# Altium PCB PCB.PcbDoc
Units mil, origin at the board's own origin, x right, y up, seen from the top; angles counter-clockwise.
Board outline 2362 x 2364 mil, 2 copper layers (Top Layer, Bottom Layer); 96 components, 85 nets, 382 pads, 136 vias.
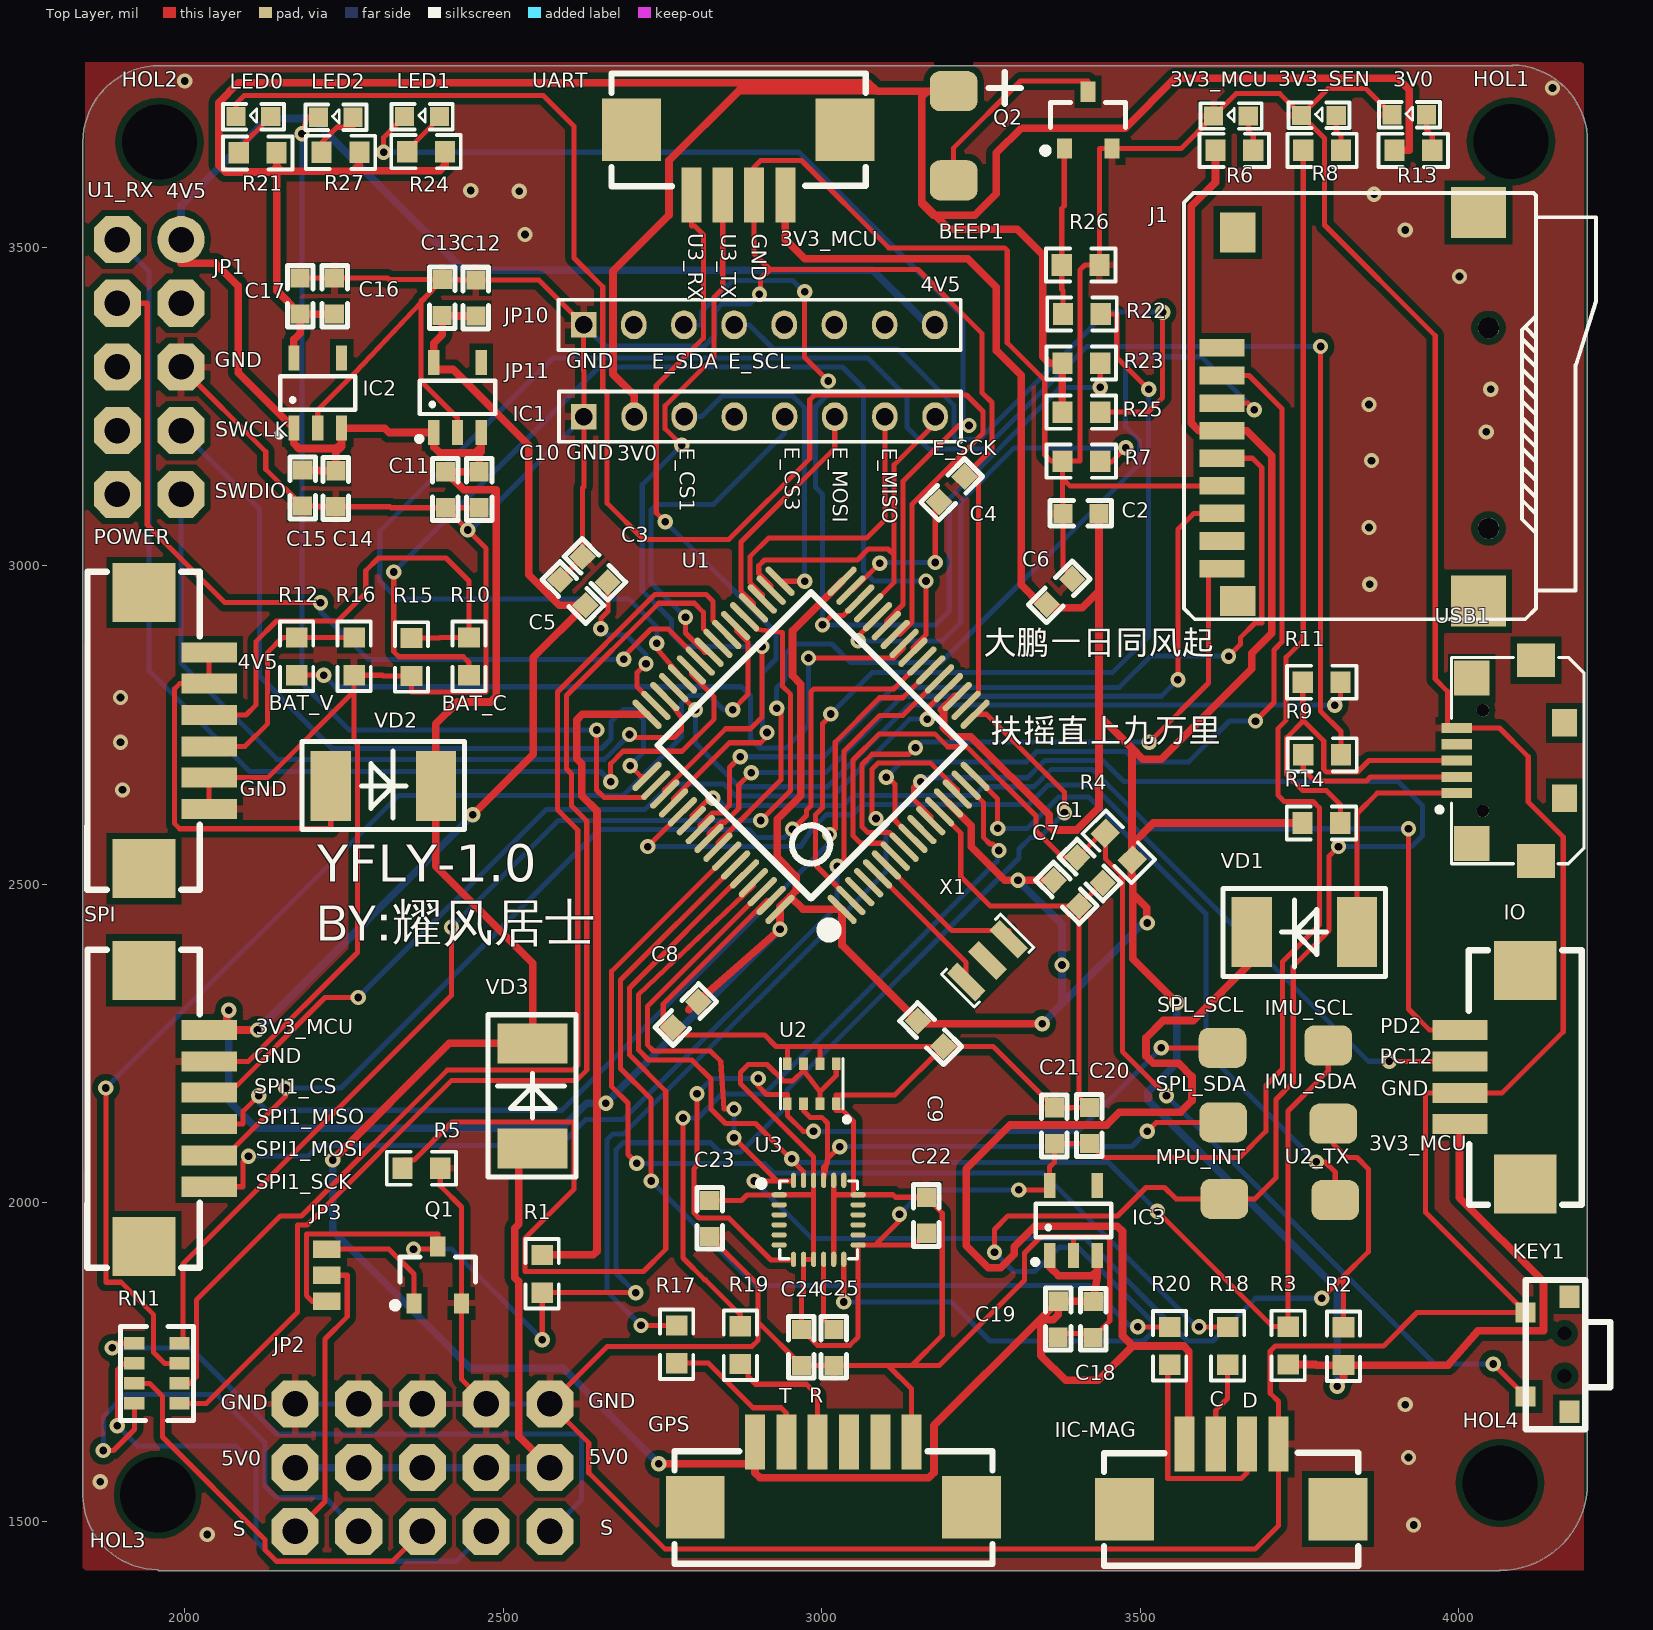
[diagram p0: Top Layer view]
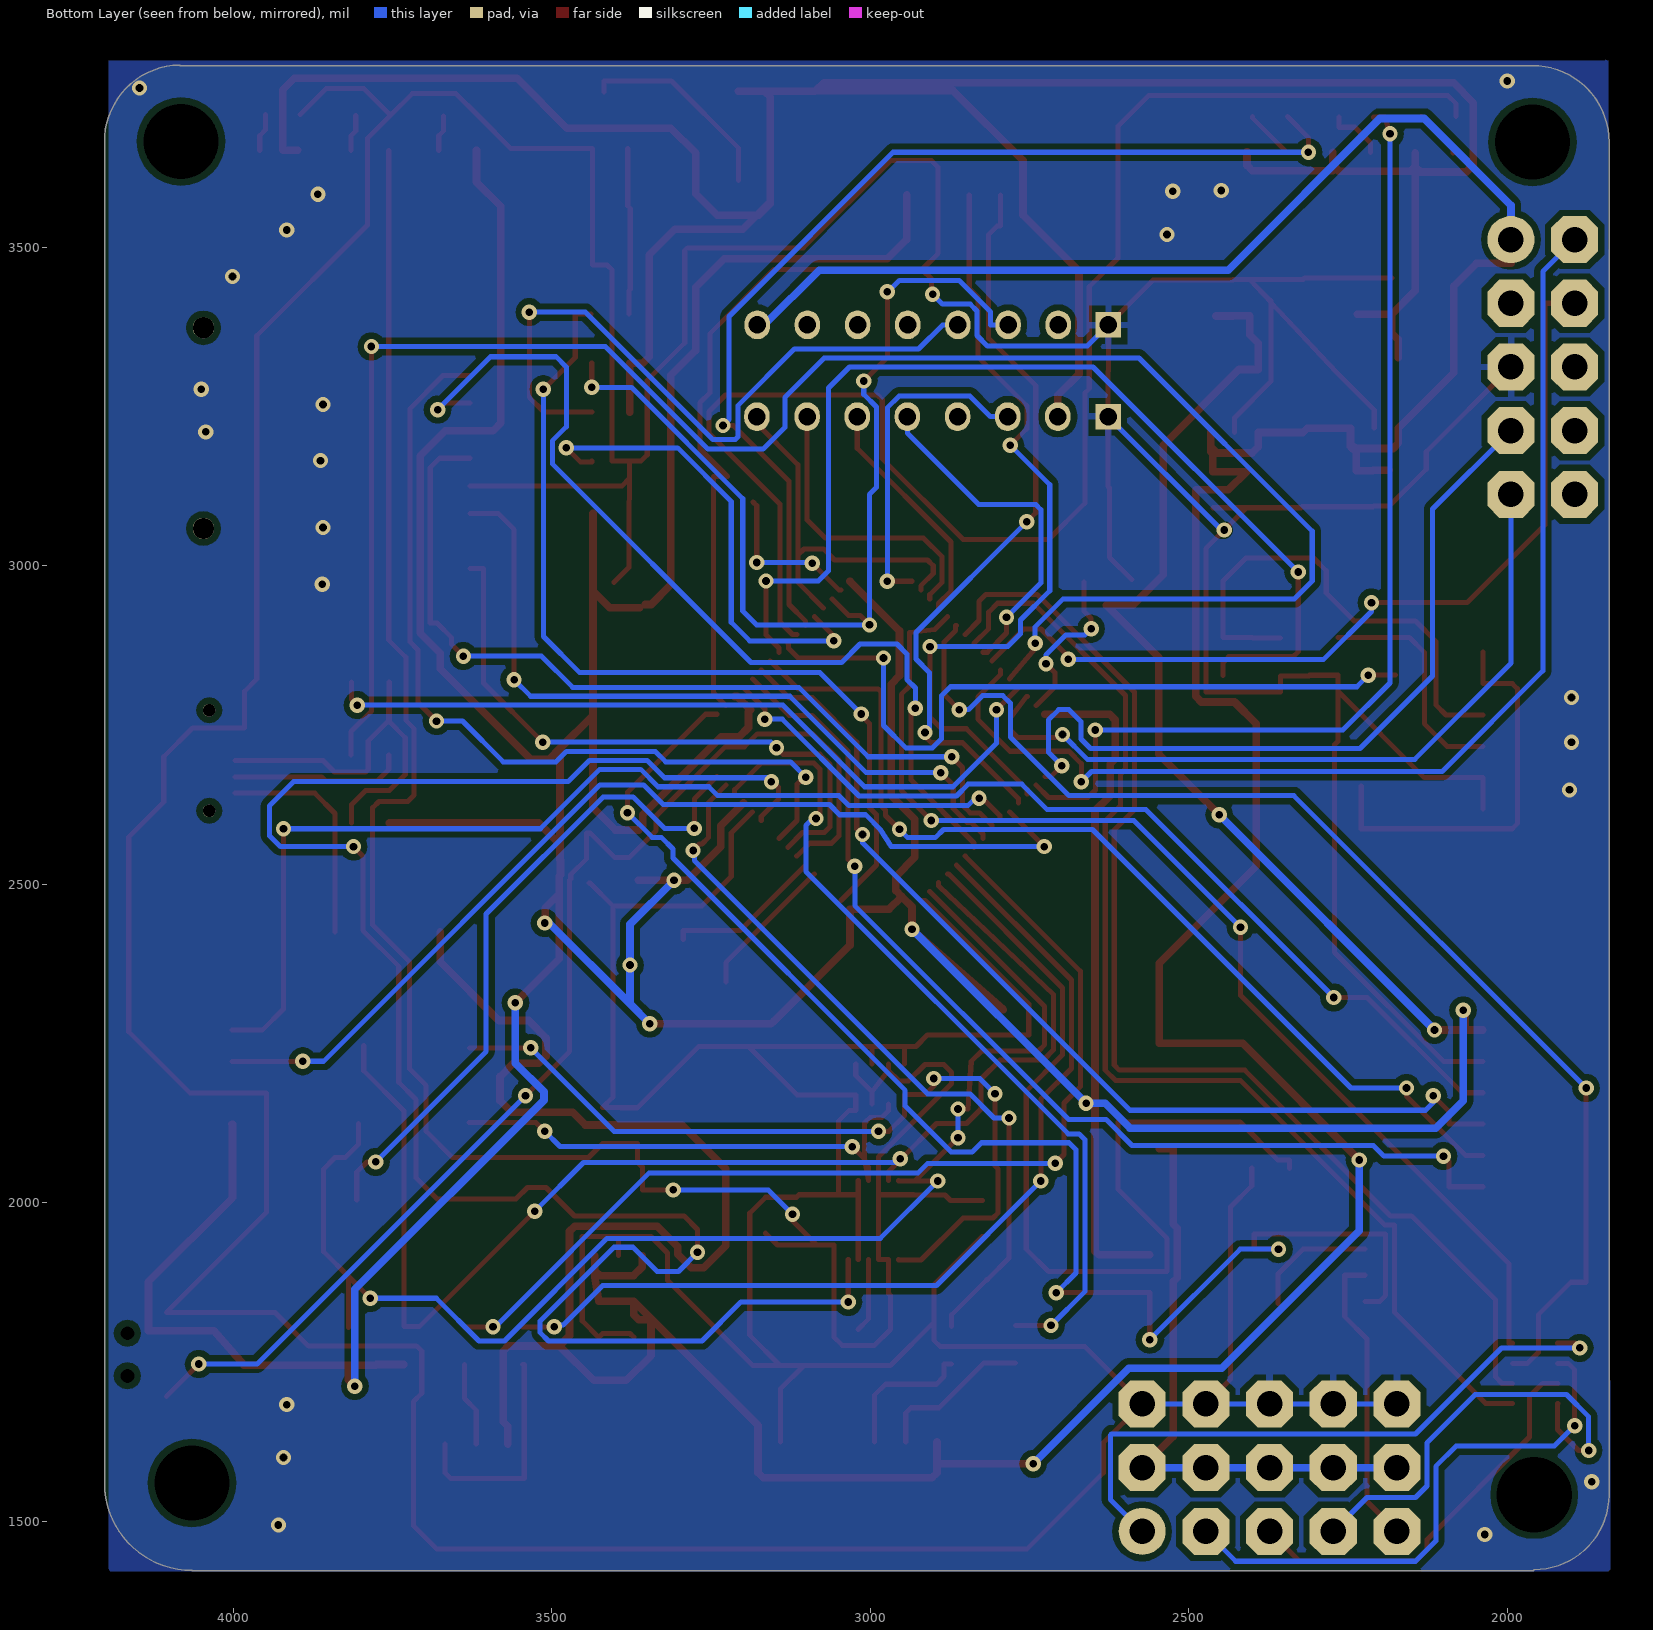
[diagram p1: Bottom Layer view, seen from below]
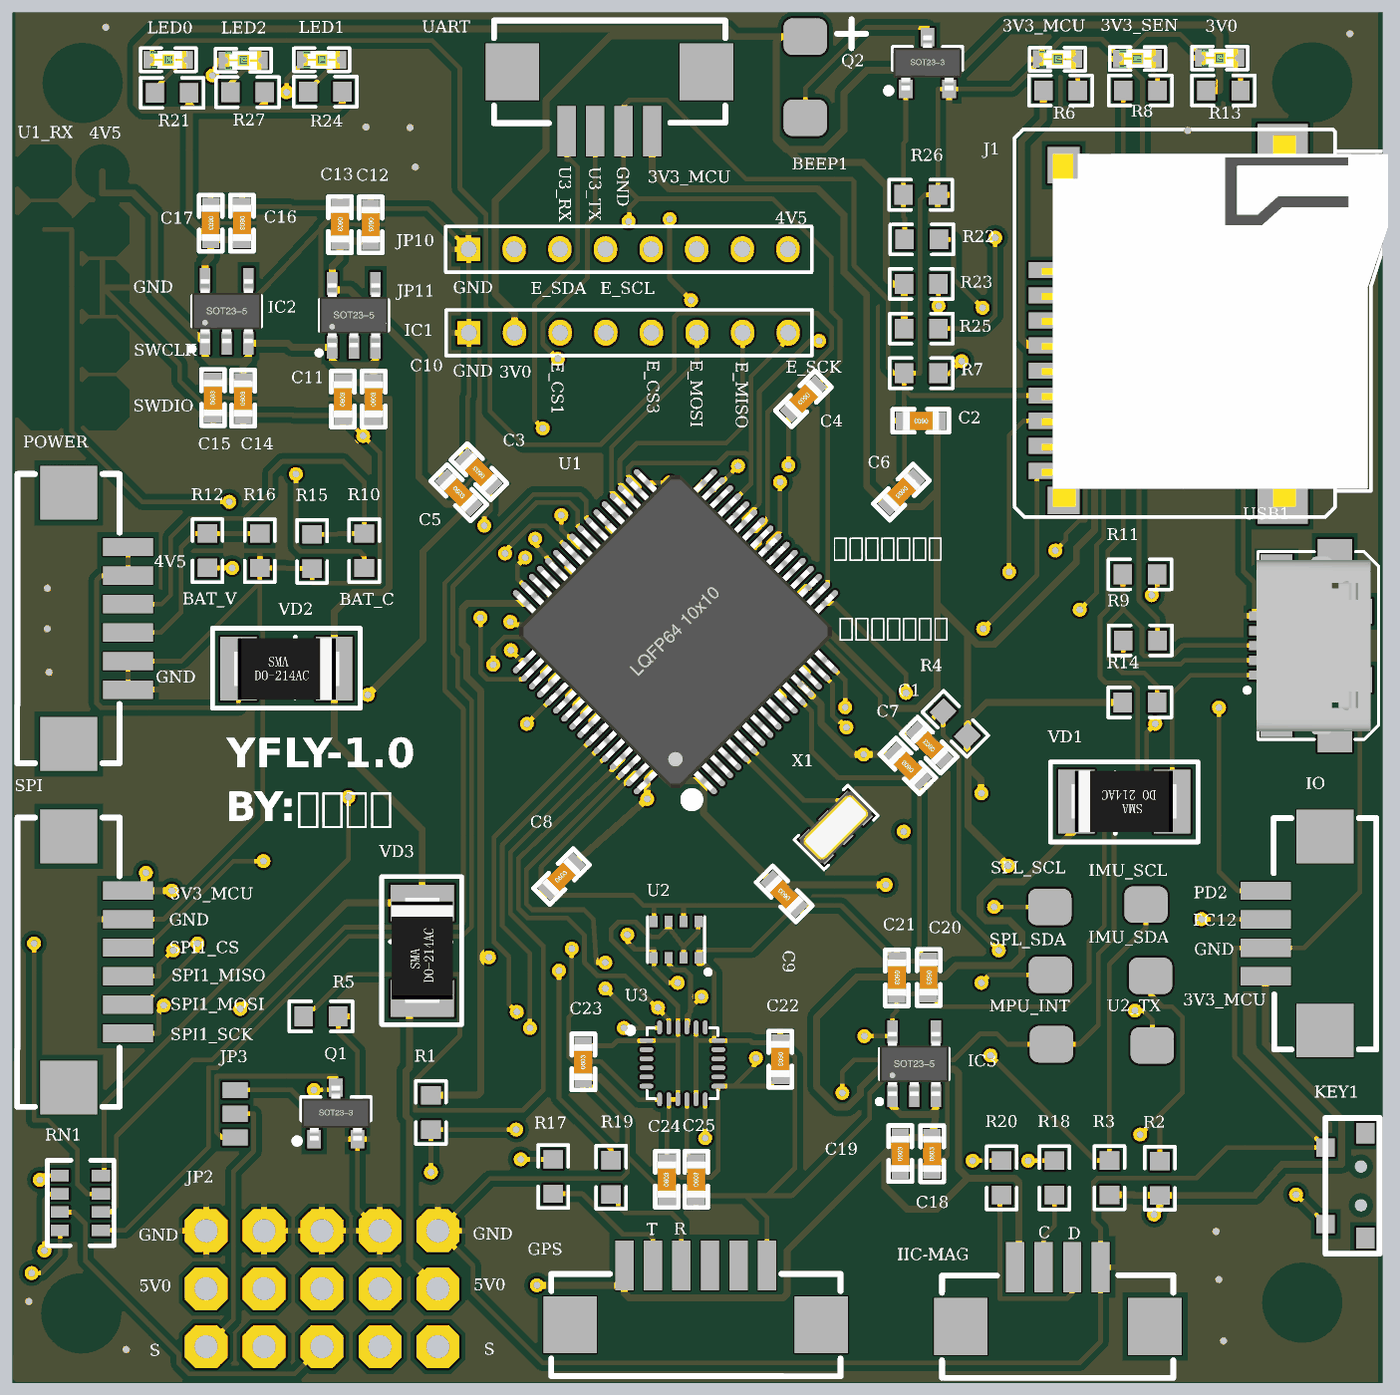
[diagram p2: 3D render of the assembled board from above, using the file's embedded part models]

## Layer stack, top to bottom
Top Solder: solder mask 0.4, Solder Resist, Dk 3.5
Top Layer: signal copper 1.4
Dielectric 1: dielectric 12.6, FR-4, Dk 4.8
Bottom Layer: signal copper 1.4
Bottom Solder: solder mask 0.4, Solder Resist, Dk 3.5

## Board outline
1840,1541 ccw(c1957.5,1541.5) 1958,1424 1958,1422 4064.83,1422 4064.25,1422.83 ccw(c4064.83,1560) 4202,1559.42 4202,1560 4202,3664 ccw(c4082,3666) 4084,3786 4083,3785 1960,3785 ccw(c1960,3665) 1840,3665

## Design rules (kind name [scope] priority, off if disabled: settings)
Clearance [All] p1: gap=6 ignorepadtopadclearanceinfootprint=FALSE except(10: Arc-Poly Track-Poly SMDPad-Poly THPad-Poly Via-Poly Fill-Poly Poly-Poly)
ComponentClearance [All] p1: gap=0 collisioncheckmode=3 verticalgap=0 showdistances=FALSE
HoleToHoleClearance [All] p1: gap=6 allowstackedmicrovias=TRUE
MinimumSolderMaskSliver [All] p1: minsoldermaskwidth=0
PolygonConnect [All] p1: thpad.connectstyle=Relief thpad.reliefconductorwidth=10 thpad.reliefentries=4 thpad.polygonreliefangle="90 Angle" thpad.airgapwidth=10 smdpad.connectstyle=Relief smdpad.reliefconductorwidth=10 smdpad.reliefentries=4 smdpad.polygonreliefangle="90 Angle" smdpad.airgapwidth=10 via.connectstyle=Direct via.reliefconductorwidth=10 via.reliefentries=4 via.polygonreliefangle="90 Angle" via.airgapwidth=10
RoutingVias [All] p1: holewidth=12 width=24 viastyle="Through Hole" minholewidth=28 minwidth=50 maxholewidth=28 maxwidth=50
SilkToSilkClearance [All] p1: silktosilkclearance=0
SilkToSolderMaskClearance [IsPad] p1: minsilkscreentomaskgap=0 clearancetoexposedcopper=TRUE
SolderMaskExpansion [All] p1: expansion=4 istentingtop=FALSE
Width Width_1 [(InNet('3V0') OR InNet('3V3_MCU') OR InNet('4V5') OR InNet('5V0'))] p1: maxlimit=16 minlimit=10 preferedwidth=12
Width [All] p2: maxlimit=10 minlimit=8 preferedwidth=8
25 further rules are at their usual default settings.

## Classes and differential pairs
net class no_gnd: 3V0 3V3_MCU 3V3_SEN 4V5 5V0 BATT_CUR BATT_VOL BEEP E_CS1 E_CS3 E_MISO E_MOSI E_SCK E_SCL E_SDA I2C1_SCL I2C1_SDA IMU_SCL IMU_SDA IO_PC12 IO_PD2 LED0 LED1 LED2 MPU_INT NetBEEP1_2 NetC3_1 NetC4_2 NetC25_2 NetJP4_1 NetJP4_3 NetJP4_4 NetJP8_2 NetJP8_3 NetJP9_2 NetJP9_3 NetLED1_1 NetLED2_1 NetLED3_1 NetLED4_1 NetLED5_1 NetLED6_1 NetQ2_1 NetR5_2 NetR7_2 NetR9_1 NetR11_1 NetUSB1_1 NRST OSC_IN OSC_OUT OUT1 OUT2 OUT3 OUT4 PPM RC_IN S1 S2 S3 S4 SBUS SD_CS SD_DETECT SPI1_CS SPI1_MISO SPI1_MOSI SPI1_SCK SPI3_MISO SPI3_MOSI SPI3_SCK SPL_SCL SPL_SDA SWCLK SWDIO U1_RX U1_TX U2_TX U3_RX U3_TX U4_RX_GPS U4_TX_GPS USB_DM USB_DP

## Components (designator, comment, footprint, x,y, rotation, side; value= is the part's Value field where it differs from the comment)
3V0 "BLUE" "LED 0603R" 3922.5,3707.94 r180 top (schematic designator LED3)
3V3_MCU "BLUE" "LED 0603R" 3642.5,3705.94 r180 top (schematic designator LED1)
3V3_SEN "BLUE" "LED 0603R" 3780.5,3706.94 r180 top (schematic designator LED2)
BEEP1 "BEEP" BELL-5 3437,3730 r270 top
C1 "104" "C 0603" 3421.2,2521.8 r135 top
C2 "104" "C 0603" 3407,3082 r180 top
C3 "2.2uf" "C 0603" 2644.2,2993.8 r135 top
C4 "2.2uf" "C 0603" 3204.2,3120.2 r225 top
C5 "104" "C 0603" 2608.89,2958.2 r315 top
C6 "104" "C 0603" 3373.2,2959.2 r225 top
C7 "104" "C 0603" 3384.2,2485.8 r135 top
C8 "104" "C 0603" 2786,2295 r45 top
C9 "104" "C 0603" 3171,2265 r135 top
C10 "10uf" "C 0603" 2462,3119 r90 top
C11 "104" "C 0603" 2409,3119 r90 top
C12 "10uf" "C 0603" 2457.06,3420.5 r270 top
C13 "104" "C 0603" 2404,3421 r270 top
C14 "10uf" "C 0603" 2236.94,3120.5 r90 top
C15 "104" "C 0603" 2184.94,3121.5 r90 top
C16 "10uf" "C 0603" 2235.06,3423.5 r270 top
C17 "104" "C 0603" 2181.06,3423.5 r270 top
C18 "10uf" "C 0603" 3425.93,1816.5 r90 top
C19 "104" "C 0603" 3371,1816.75 r90 top
C20 "10uf" "C 0603" 3420.06,2121.5 r270 top
C21 "104" "C 0603" 3365.13,2121 r270 top
C22 "104" "C 0603" 3164.06,1980.5 r270 top
C23 "104" "C 0603" 2824,1975 r90 top
C24 "103" "C 0603" 2967.93,1772.5 r90 top
C25 "104" "C 0603" 3018.94,1772.5 r90 top
GPS "GPS" HC1.25-6PIN 3018,1573 r0 top (schematic designator JP8)
HOL1 "M3" M3 10012,7966 r90 top
HOL2 "M3" M3 7890,7965 r90 top
HOL3 "M3" M3 7887.5,5841.5 r90 top
HOL4 "M3" M3 9994.83,5860 r90 top
IC1 "XC6204B332MR" SOT23-5L 2428,3264.12 r0 top
IC2 "XC6204B302MR" SOT23-5L 2208.6,3271.12 r0 top
IC3 "XC6204B332MR" SOT23-5L 3395,1972 r0 top
IIC-MAG "COMPASS" HC1.25-4PIN 3643,1570 r0 top (schematic designator JP9)
IMU_SCL "TEST" "TEST PAD 1.8" 3795,2247 r90 top (schematic designator TP3)
IMU_SDA "TEST" "TEST PAD 1.8" 3803,2124 r90 top (schematic designator TP4)
IO "COMPASS" HC1.25-4PIN 4053,2197 r90 top (schematic designator JP7)
J1 "Micro SD" "Micro SD" 4030.95,2944.26 r90 top
JP1 "VTX" 2.54_2X5PIN -1541,-9743 r0 top
JP2 "VTX" 2.54_3X5PIN 2358,1579 r270 top
JP3 "JUPER" "JUMPER 3P" 2223,1927 r90 top
JP10 "FLOW1" PH2.0-8PIN 2626.04,3378 r0 top
JP11 "FLOW2" PH2.0-8PIN 2626.56,3234 r0 top
KEY1 "KEY" "TSW 2*4*3.5-S-W" 4135.49,1761.54 r90 top
LED0 "BLUE" "LED 0603R" 2107.81,3704.94 r180 top (schematic designator LED4)
LED1 "BLUE" "LED 0603R" 2372.5,3704.94 r180 top (schematic designator LED5)
LED2 "BLUE" "LED 0603R" 2237.19,3703.94 r180 top (schematic designator LED6)
MPU_INT "TEST" "TEST PAD 1.8" 3632,2006 r90 top (schematic designator TP1)
POWER "POWER" HC1.25-6PIN 1987,2741 r270 top (schematic designator JP4)
Q1 "SS8050" SOT23-3L 2397,1887 r0 top
Q2 "SS8050" SOT23-3L 3418,3699.71 r0 top
R1 "1K" "R 0603" 2561,1888.35 r270 top
R2 "4.7K" "R 0603" 3819,1774.65 r90 top
R3 "4.7K" "R 0603" 3732,1775.65 r90 top
R4 "10K" "R 0603" 3466.03,2558.97 r315 top
R5 "10K" "R 0603" 2371.34,2054 r180 top
R6 "1K" "R 0603" 3647.66,3652 r0 top
R7 "10K" "R 0603" 3407.34,3164.11 r0 top
R8 "1K" "R 0603" 3785.34,3652 r0 top
R9 "22R" "R 0603" 3785.34,2703 r0 top
R10 "10K" "R 0603" 2446,2857.66 r90 top
R11 "22R" "R 0603" 3784.66,2817 r0 top
R12 "10K" "R 0603" 2175.55,2857.73 r90 top
R13 "1K" "R 0603" 3928.66,3652 r0 top
R14 "1k" "R 0603" 3784.34,2596 r180 top
R15 "1M" "R 0603" 2355.85,2856.66 r90 top
R16 "1M" "R 0603" 2265.7,2857.66 r90 top
R17 "120R" "R 0603" 2772,1777.65 r270 top
R18 "120R" "R 0603" 3637,1775.35 r270 top
R19 "120R" "R 0603" 2872,1776.35 r270 top
R20 "120R" "R 0603" 3546.05,1775.35 r270 top
R21 "1K" "R 0603" 2114.34,3648 r180 top
R22 "1K" "R 0603" 3408.34,3395.03 r180 top
R23 "4.7K" "R 0603" 3407.34,3318.05 r180 top
R24 "1K" "R 0603" 2378.66,3650 r180 top
R25 "4.7K" "R 0603" 3407.35,3241.08 r180 top
R26 "10K" "R 0603" 3406.34,3472 r180 top
R27 "1K" "R 0603" 2244.34,3649 r180 top
RN1 "1K" RES_P_8PIN 1956,1732 r270 top
SPI "POWER" HC1.25-6PIN 1987,2148 r270 top (schematic designator JP5)
SPL_SCL "TEST" "TEST PAD 1.8" 3629,2243 r90 top (schematic designator TP5)
SPL_SDA "TEST" "TEST PAD 1.8" 3630,2126 r90 top (schematic designator TP6)
U1 "STM32F405RGT6" "LQFP64 10X10_L" 2983,2718 r45 top
U2 "SPL06-01" LGA-8 2984.2,2186.5 r270 top
U2_TX "TEST" "TEST PAD 1.8" 3806,2004 r90 top (schematic designator TP2)
U3 "MPU9250" QFN24-0.4 2995,1973 r0 top
UART "COMPASS" HC1.25-4PIN 2869,3633 r180 top (schematic designator JP6)
USB1 "USB-5P" USB-MICRO_E 3996.71,2694.06 r90 top
VD1 "MBR0520" SMA 3832,2425 r180 top
VD2 "MBR0520" SMA 2237,2654 r0 top
VD3 "MBR0520" SMA 2546,2093 r90 top
X1 "8MHz" XTAL-3215-3P 3260,2380 r45 top

## Footprints (in the part's own frame and the unit in brackets; to place one, negate y for a bottom-side part, rotate by r counter-clockwise, add the part's x,y. Pads: shape width x height; smd on the part's side, far side on the other; paste and mask are expansions set on the pad)
2.54_2X5PIN [mil]
  round 74 hole 40: 1(3535,13255)
  oct 74x74 / inner round 68.37 / far side oct 74x74 hole 40: 2(3435,13255) 3(3535,13155) 4(3435,13155) 5(3535,13055) 6(3435,13055) 7(3535,12955) 8(3435,12955) 9(3535,12855) 10(3435,12855)
2.54_3X5PIN [mil]
  oct 74x74 / inner round 74 / far side round 74 hole 40: 1(95,215)
  oct 74x74 / inner round 68.37 / far side oct 74x74 hole 40: 2(-5,215) 3(-105,215) 4(95,115) 5(-5,115) 6(-105,115) 7(95,15) 8(-5,15) 9(-105,15) 10(95,-85) 11(-5,-85) 12(-105,-85) 13(95,-185) 14(-5,-185) 15(-105,-185)
BELL-5 [mm]
  rrect50% 1.6x1.9 smd: 1(-0.381,-5.842) 2(3.175,-5.842)
  silkscreen extent -1.14,-4.44 0.13,-3.17
"C 0603" [mil]
  rect 30x30 smd: 1(-28,0) 2(28.5,-0.06)
  silkscreen extent -48,-20 49,20, body extent -31,-16 31,16, height 32
HC1.25-4PIN [mm]
  rect 0.8x2.2 smd paste+0 mask+0.05: 1(-1.875,1.3) 2(-0.625,1.3) 3(0.625,1.3) 4(1.875,1.3)
  rect 2.35x2.5 smd paste+0 mask+0.05: 5(4.255,-1.3) 6(-4.255,-1.3)
  silkscreen extent -5.08,-3.55 5.06,0.95
HC1.25-6PIN [mm]
  rect 0.8x2.2 smd paste+0 mask+0.05: 1(-3.125,1.3) 2(-1.875,1.3) 3(-0.625,1.3) 4(0.625,1.3) 5(1.875,1.3) 6(3.125,1.3)
  rect 2.35x2.5 smd paste+0 mask+0.05: 7(-5.505,-1.3) 8(5.505,-1.3)
  silkscreen extent -6.33,-3.56 6.35,0.93
"JUMPER 3P" [mm]
  rect 0.7x1.1 smd: 1(0,0) 2(-1.041,0) 3(-2.083,0)
"LED 0603R" [mil]
  rect 30x30 smd: 1(-27,0) 2(27.5,-0.06)
  silkscreen extent -48,-20 48,20, body extent -31,-16 31,16, height 24
LGA-8 [mm]
  rect 0.5x0.35 smd: 1(0.8,0.975) 2(0.8,0.325) 3(0.8,-0.325) 4(0.8,-0.975) 5(-0.8,-0.975) 6(-0.8,-0.325) 7(-0.8,0.325) 8(-0.8,0.975)
  silkscreen extent -1,-1.25 1.52,1.5
"LQFP64 10X10_L" [mm]
  oval 0.25x1.55 smd: 1(-3.75,-5.5) 2(-3.25,-5.5) 3(-2.75,-5.5) 4(-2.25,-5.5) 5(-1.75,-5.5) 6(-1.25,-5.5) 7(-0.75,-5.5) 8(-0.25,-5.5) 9(0.25,-5.5) 10(0.75,-5.5) 11(1.25,-5.5) 12(1.75,-5.5) 13(2.25,-5.5) 14(2.75,-5.5) 15(3.25,-5.5) 16(3.75,-5.5) 33(3.75,5.5) 34(3.25,5.5) 35(2.75,5.5) 36(2.25,5.5) 37(1.75,5.5) 38(1.25,5.5) 39(0.75,5.5) 40(0.25,5.5) 41(-0.25,5.5) 42(-0.75,5.5) 43(-1.25,5.5) 44(-1.75,5.5) 45(-2.25,5.5) 46(-2.75,5.5) 47(-3.25,5.5) 48(-3.75,5.5)
  oval 1.55x0.25 smd: 17(5.5,-3.75) 18(5.5,-3.25) 19(5.5,-2.75) 20(5.5,-2.25) 21(5.5,-1.75) 22(5.5,-1.25) 23(5.5,-0.75) 24(5.5,-0.25) 25(5.5,0.25) 26(5.5,0.75) 27(5.5,1.25) 28(5.5,1.75) 29(5.5,2.25) 30(5.5,2.75) 31(5.5,3.25) 32(5.5,3.75) 49(-5.499,3.75) 50(-5.499,3.25) 51(-5.499,2.75) 52(-5.499,2.25) 53(-5.499,1.75) 54(-5.499,1.25) 55(-5.499,0.75) 56(-5.499,0.25) 57(-5.499,-0.25) 58(-5.499,-0.75) 59(-5.499,-1.25) 60(-5.499,-1.75) 61(-5.499,-2.25) 62(-5.499,-2.75) 63(-5.499,-3.25) 64(-5.499,-3.75)
  silkscreen extent -4.95,-5.96 4.32,4.32, body extent -6,-6 6,6, height 1.45
M3 [mm]
  round 1.7 hole 3: 1(-109.22,150.622)
"Micro SD" [mm]
  rect 1.2x1.4 smd: 0(0,9.6)
  rect 2.032x2.2 smd: 0(0,0) 0(15.5,0)
  round 0.85 hole 0.85 unplated: 0(2.9,-0.4) 0(10.9,-0.4)
  rect 1.6x1.4 smd: 0(14.7,9.6)
  rect 0.7x1.8 smd: 1(10.1,10.227) 2(9,10.227) 3(7.9,10.227) 4(6.8,10.227) 5(5.7,10.227) 6(4.6,10.227) 7(3.5,10.227) 8(2.4,10.227) 9(1.3,10.227)
  silkscreen extent -0.72,-4.68 16.27,11.75, body extent -0.27,-4.63 16,10.57, height 1.8
PH2.0-8PIN [mil]
  rect 40x40 hole 27.56: 1(0,0)
  oval 40x45 hole 27.56: 2(78.74,0) 3(157.48,0) 4(236.22,0) 5(314.96,0) 6(393.7,0) 7(472.44,0) 8(551.18,0)
  silkscreen extent -39,-39 592,39
QFN24-0.4 [mil]
  oval 24x8 smd: 1(-62.01,39.37) 2(-62.01,23.62) 3(-62.01,7.87) 4(-62.01,-7.87) 5(-62.01,-23.62) 6(-62.01,-39.37) 13(62.01,-39.37) 14(62.01,-23.62) 15(62.01,-7.87) 16(62.01,7.87) 17(62.01,23.62) 18(62.01,39.37)
  oval 8x24 smd: 7(-39.37,-62.01) 8(-23.62,-62.01) 9(-7.87,-62.01) 10(7.87,-62.01) 11(23.62,-62.01) 12(39.37,-62.01) 19(39.37,62.01) 20(23.62,62.01) 21(7.87,62.01) 22(-7.87,62.01) 23(-23.62,62.01) 24(-39.37,62.01)
  silkscreen extent -95,-61 61,62
"R 0603" [mil]
  rect 31.75x34.02 smd: 1(-29.65,0) 2(29.65,0)
  silkscreen extent -55,-26 55,26
RES_P_8PIN [mm]
  rect 0.5x0.8 smd: 1(-1.2,-0.9) 2(-1.2,0.9) 3(-0.4,-0.9) 4(-0.4,0.9) 5(0.4,-0.9) 6(0.4,0.9) 7(1.2,-0.9) 8(1.2,0.9)
  silkscreen extent -1.87,-1.45 1.87,1.47
SMA [mil] "DO-214AC(2010)"
  rect 63x110 smd: 1(-8,0) 2(157,0)
  silkscreen extent -53,-68 202,70, body extent -16,-53 166,53, height 94
SOT23-3L [mm]
  rect 0.6x0.8 smd: 1(-0.95,-1.143) 2(0.95,-1.143) 3(0,1.125)
  silkscreen extent -1.83,-1.34 1.5,0.7, body extent -1.5,-1.2 1.5,1.2, height 1.05
SOT23-5L [mm]
  rect 0.45x1 smd: 1(-0.95,-1.4) 2(0,-1.4) 3(0.95,-1.4) 4(0.95,1.4) 5(-0.95,1.4)
  silkscreen extent -1.6,-1.73 1.5,0.66, body extent -1.5,-1.4 1.5,1.4, height 1.15
"TEST PAD 1.8" [mm]
  rrect50% 1.6x1.9 smd: 1(0,0)
"TSW 2*4*3.5-S-W" [mm]
  rect 0.9x0.8 smd: 0(-2.289,-0.965) 0(2.311,-0.965)
  round 0 hole 0.55 unplated: 0(-0.85,-0.775) 0(0.85,-0.775)
  rect 0.8x0.8 smd: 1(1.676,0.775) 2(-1.674,0.775)
  silkscreen extent -2.97,-2.6 2.97,0.78
USB-MICRO_E [mm]
  rect 1.35x1.5 smd: 0(-4,-3.16) 0(4,-3.16)
  rect 1.4x1.4 smd: 0(-3.3,-0.6) 0(3.3,-0.6)
  round 0.5 hole 0.5 paste+0 mask+0: 0(-2.007,-1.041) 0(2.007,-1.041)
  rect 1.1x1 smd: 0(-1.5,-4.3) 0(1.5,-4.3)
  rect 0.4x1.2 smd: 1(-1.3,0) 2(-0.65,0) 3(0,0) 4(0.65,0) 5(1.3,0)
  silkscreen extent -4.11,-5.08 4.11,0.79, body extent -3.9,-4.72 3.9,0.28, height 2.83
XTAL-3215-3P [mm]
  rect 0.6x1.6 smd: 1(-1.2,0) 2(0,0) 3(1.2,0)
  silkscreen extent -1.68,-0.94 1.68,0.94, body extent -1.6,-0.74 1.6,0.76, height 0.9

## Part data
3V0 3V3_MCU 3V3_SEN LED0 LED1 LED2: library part LED-SMD, "贴片LED", BOM名称=贴片LED, 学习资源=www.ooocke.com, 版权归属=源创客
C1 C2 C3 C4 C5 C6 C7 C8 C9 C10 C11 C12 C13 C14 C15 C16 C17 C18 C19 C20 C21 C22 C23 C24 C25: library part C, "无极性贴片电容", BOM名称=无极性贴片电容, 学习资源=www.ooocke.com, 版权归属=源创客
GPS POWER SPI: library part "Header 6", "6P接插件", BOM名称=6P接插件, 学习资源=www.ooocke.com, 版权归属=源创客
HOL1 HOL2 HOL3 HOL4: "定位孔"
IC1 IC2 IC3: library part "LDO XC6204", "LDO", BOM名称=稳压芯片, 学习资源=www.ooocke.com, 版权归属=源创客
IIC-MAG IO UART: library part "Header 4", "4P接插件", BOM名称=4P接插件, 学习资源=www.ooocke.com, 版权归属=源创客
IMU_SCL IMU_SDA MPU_INT SPL_SCL SPL_SDA U2_TX: "测试点", BOM名称=测试点, 学习资源=www.ooocke.com, 版权归属=源创客
J1: "Micro SD卡", BOM名称="Micro SD卡", 学习资源=www.ooocke.com, 版权归属=源创客
JP1: library part "Header 5X2", "5*2P接插件", BOM名称=5*2P接插件, 学习资源=www.ooocke.com, 版权归属=源创客
JP2: library part "Header 5X3", "5*3P接插件", BOM名称=5*2P接插件, 学习资源=www.ooocke.com, 版权归属=源创客
JP3: library part "JUMPER 3P", "三点焊盘跳线"
JP10 JP11: library part "Header 8", "8P接插件", BOM名称=6P接插件, 学习资源=www.ooocke.com, 版权归属=源创客
KEY1: "按键", BOM名称=3x6轻触开关, 学习资源=www.ooocke.com, 版权归属=源创客
Q1 Q2: library part 8050-SMD, "高频放大-NPN型", BOM名称=高频放大-NPN型, 学习资源=www.ooocke.com, 属性="40V 1.5A 1W 100MHZ", 版权归属=源创客
R1 R2 R3 R4 R5 R6 R7 R8 R9 R10 R11 R12 R13 R14 R15 R16 R17 R18 R19 R20 R21 R22 R23 R24 R25 R26 R27: library part R, "贴片电阻", BOM名称=贴片电阻, 学习资源=www.ooocke.com, 版权归属=源创客
RN1: library part R_8PIN, "贴片排阻", BOM名称=贴片电阻, 学习资源=www.ooocke.com, 版权归属=源创客
U1: "Flaah:256/RAM:48/IO:51"
U2: library part BMP280
USB1: "微型USB母座", BOM名称=微型USB母座, 学习资源=www.ooocke.com, 版权归属=源创客
VD1 VD2 VD3: library part SS14, "肖特基二极管", BOM名称=肖特基二极管, 学习资源=www.ooocke.com, 属性=40V/1A, 版权归属=源创客
X1: library part XTAL-3P, "3脚无源晶振", BOM名称=2脚晶振, 学习资源=www.ooocke.com, 版权归属=源创客

## Via types
v1: diameter 24, hole 12, Top Layer to Bottom Layer, 136 vias
